# Altium PCB ModulebitV0_4.PcbDoc (part 1 of 2)
Units mm, origin at the board's own origin, x right, y up, seen from the top; angles counter-clockwise.
Board outline 60 x 54 mm, 2 copper layers (Top Layer, Bottom Layer), stack 1.671 mm thick; 125 components, 87 nets, 543 pads, 469 vias.
Unrouted connection lines stored in the file: 1.
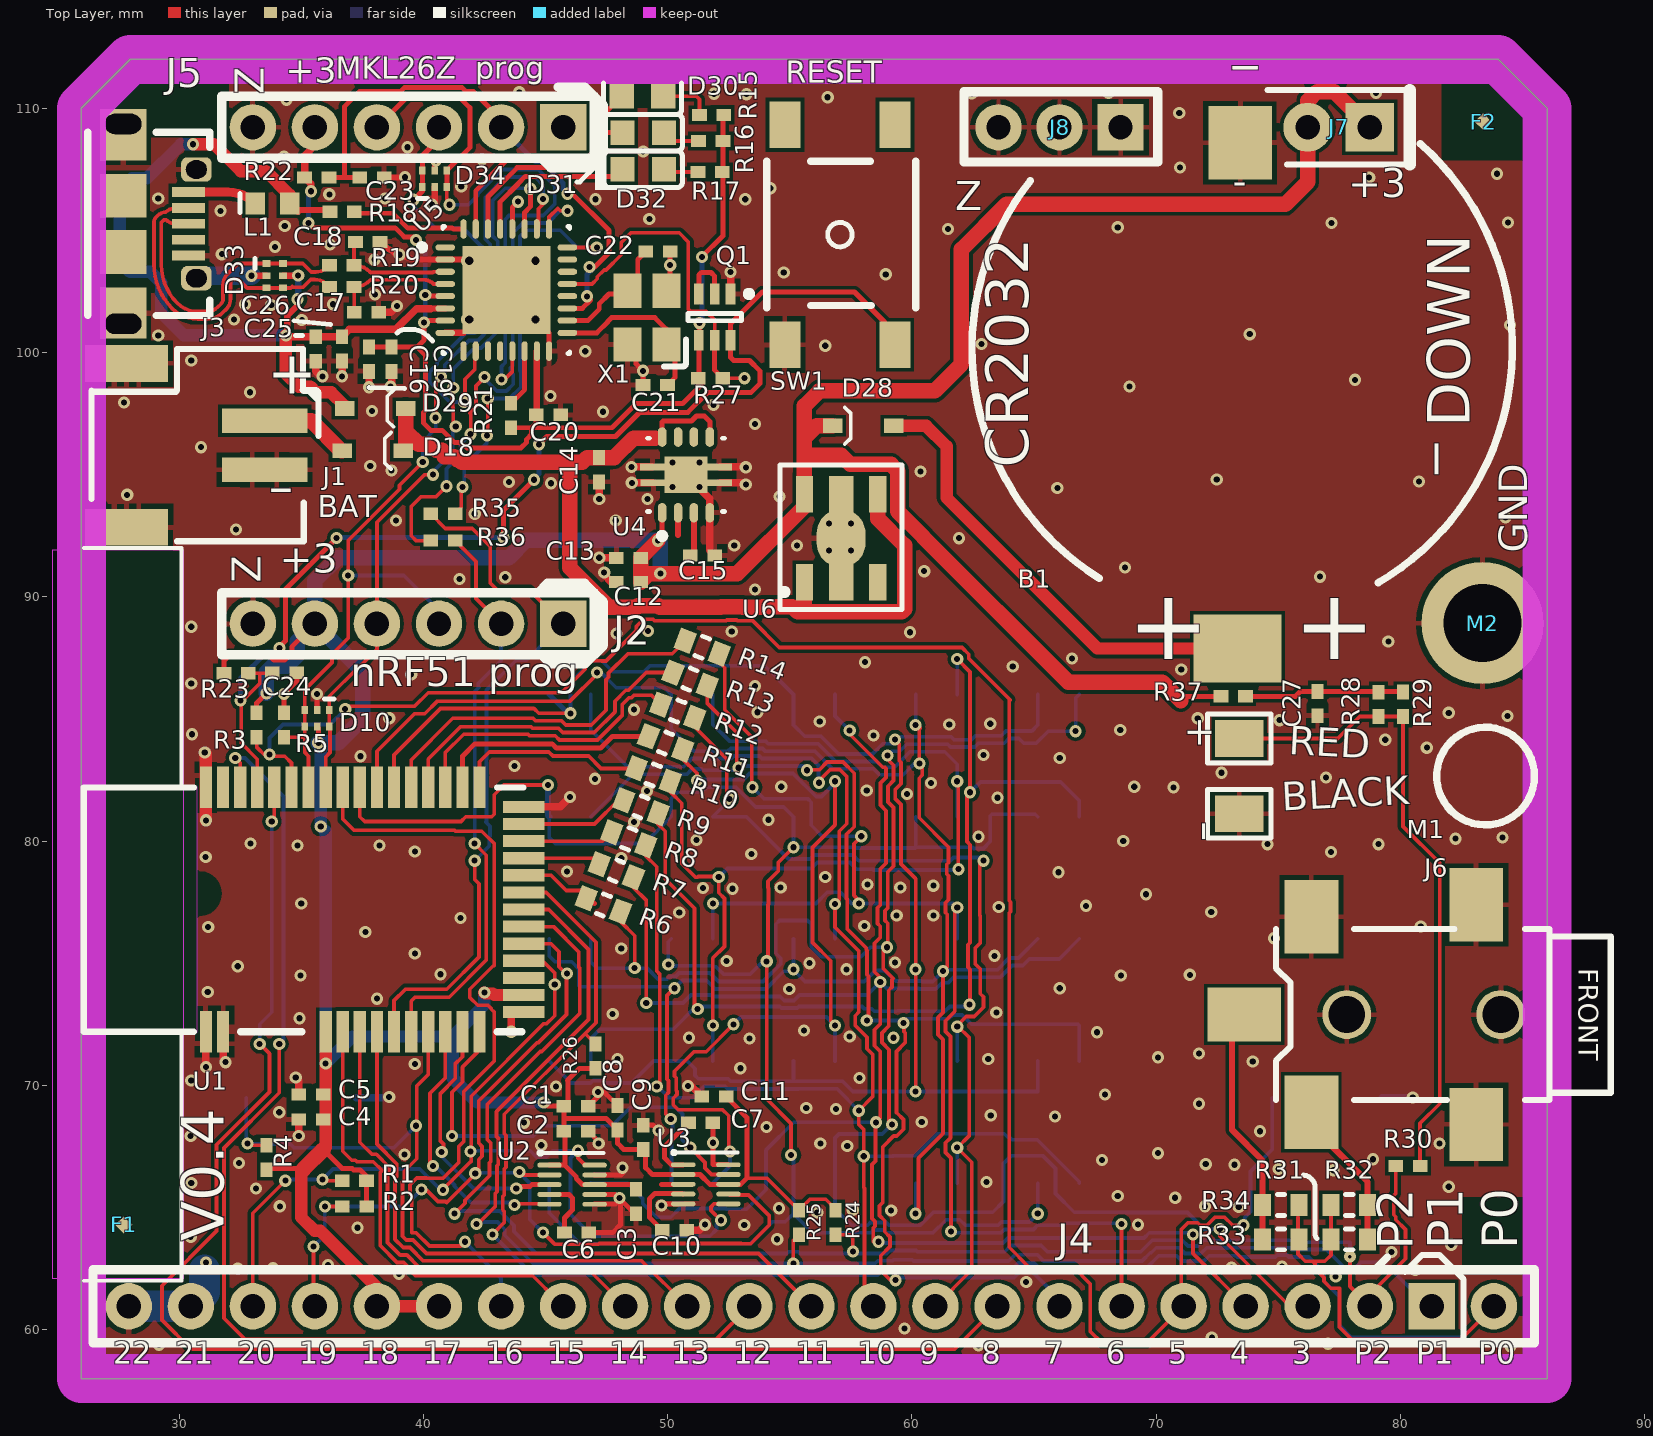
[diagram p0: Top Layer view]
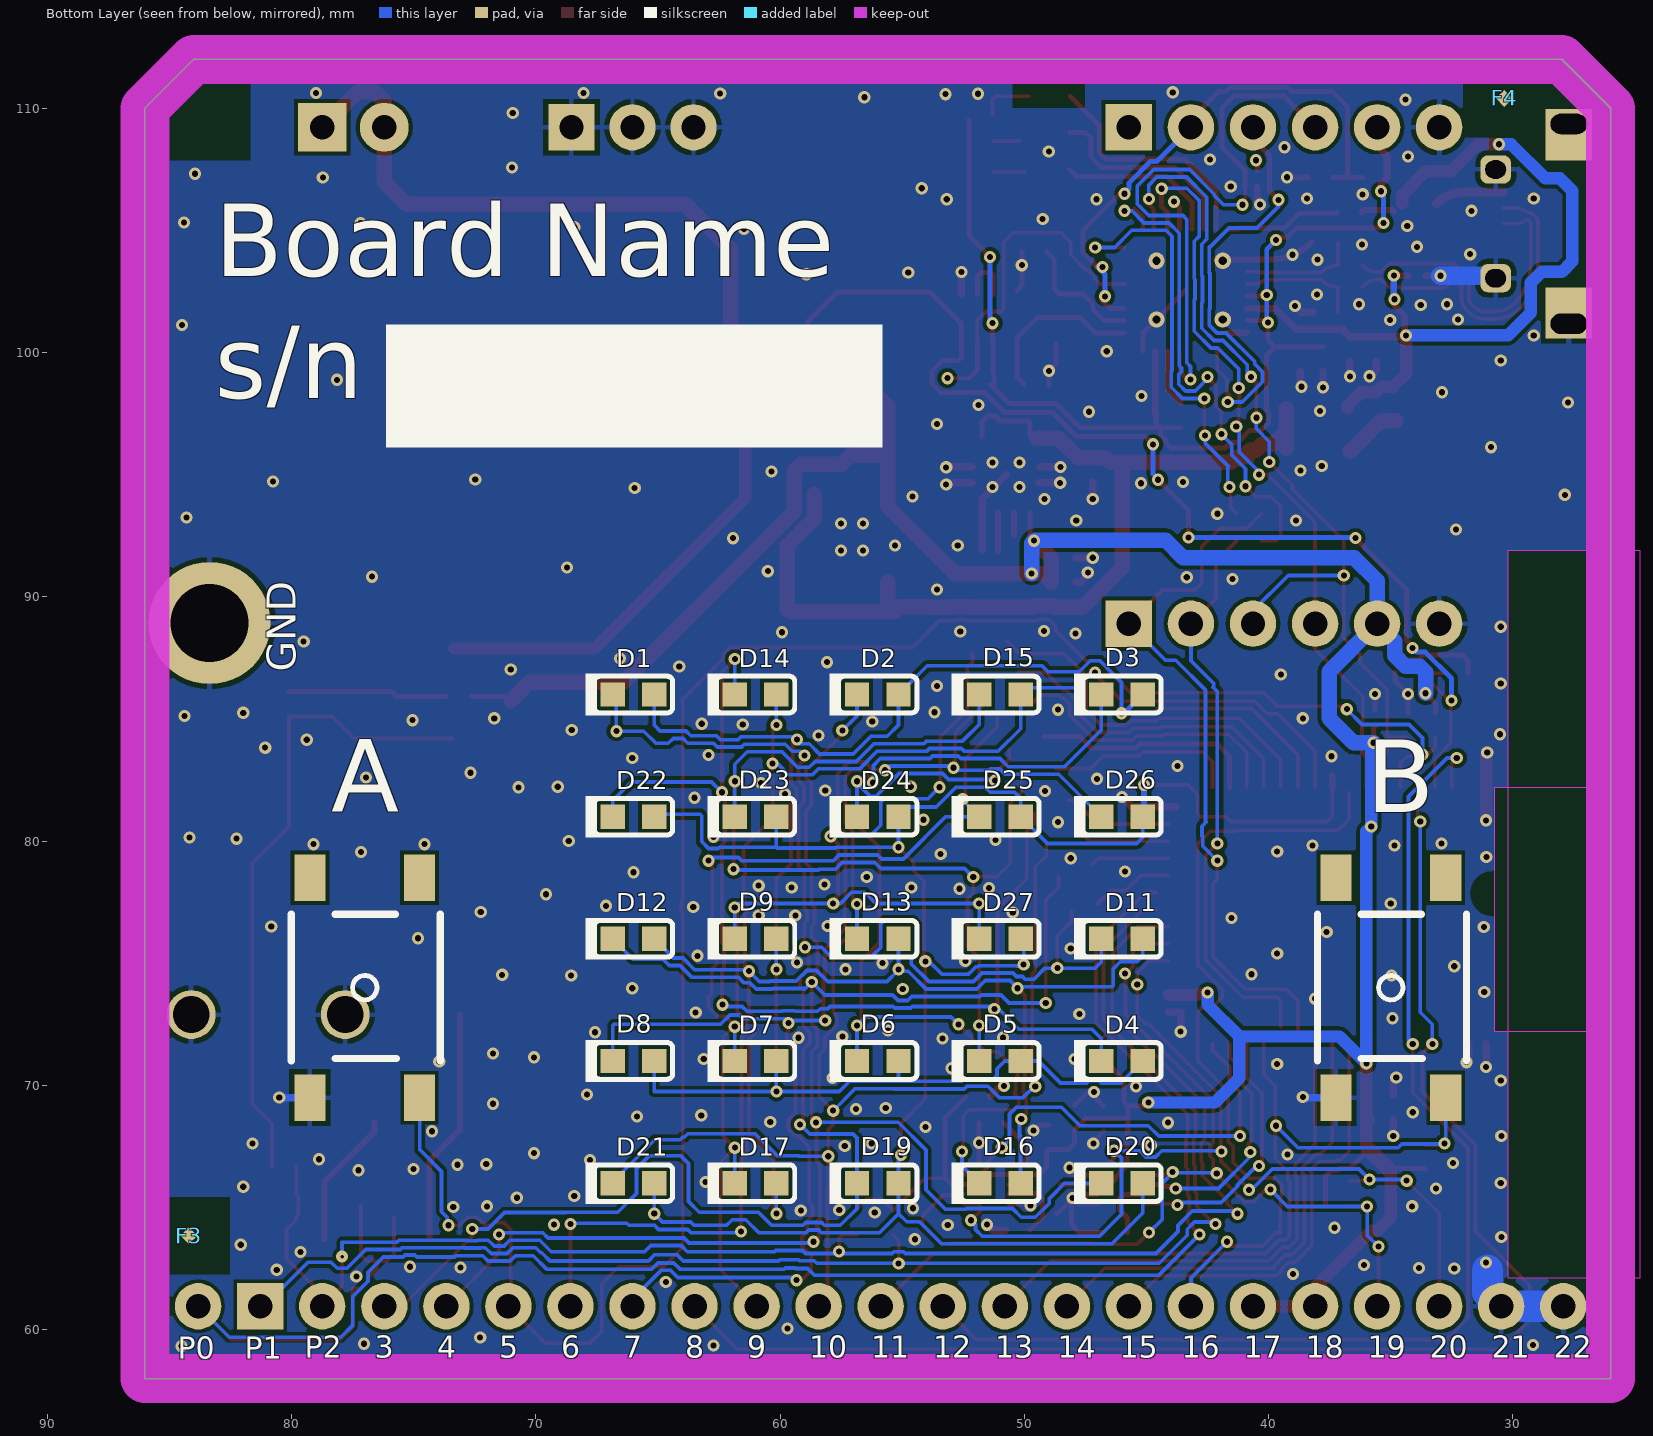
[diagram p1: Bottom Layer view, seen from below]

## Layer stack, top to bottom
Top Solder: solder mask 0.0102, Solder Resist, Dk 3.5
Top Layer: signal copper 0.0356
Dielectric 1: dielectric 1.6, FR-4, Dk 4.8
Bottom Layer: signal copper 0.0356
Bottom Solder: solder mask 0.0102, Solder Resist, Dk 3.5

## Board outline
26,58 86,58 86,110 84,112 28,112 26,110

## Design rules (kind name [scope] priority, off if disabled: settings)
Clearance Clearance_keepout [All vs (OnLayer('Keep-Out Layer'))] p1: gap=0.01
Clearance [All] p2: gap=0.152
DiffPairsRouting [All] p1: maxlimit=0.203 minlimit=0.152 mostfreqgap=0.152 toplayer_minwidth=0.152 toplayer_maxwidth=0.152 toplayer_prefwidth=0.152 bottomlayer_minwidth=0.152 bottomlayer_maxwidth=0.152 bottomlayer_prefwidth=0.152 maxuncoupledlength=12.7
MinimumAnnularRing [All] p1: minimumring=0.152
MinimumSolderMaskSliver [All] p1: minsoldermaskwidth=0.127
PlaneClearance [All] p1: clearance=0.254
PlaneConnect [All] p1: planeconnectstyle=Direct reliefexpansion=0.508 reliefentries=4 reliefconductorwidth=0.254 reliefairgap=0.254
PolygonConnect PolygonConnect_pad [ispad] p1: connectstyle=Relief reliefconductorwidth=0.203 reliefentries=4 polygonreliefangle="90 Angle" airgapwidth=0.203
PolygonConnect [All] p2: connectstyle=Direct reliefconductorwidth=0.203 reliefentries=4 polygonreliefangle="90 Angle" airgapwidth=0.203
RoutingVias [All] p1: holewidth=0.15 width=0.5 viastyle="Through Hole" minholewidth=0.15 minwidth=0.5 maxholewidth=1 maxwidth=2
SilkToSolderMaskClearance [IsPad] p1: minsilkscreentomaskgap=0.127 clearancetoexposedcopper=TRUE
SolderMaskExpansion [All] p1: expansion=0.051
Width [All] p1: maxlimit=2.54 minlimit=0.152 preferedwidth=0.152 minimp=50.000000 maximp=50.000000 favimp=50.000000
25 further rules are at their usual default settings.

## Classes and differential pairs
net class COL[1..9]: COL1 COL2 COL3 COL4 COL5 COL6 COL7 COL8 COL9
net class COLR[1..9]: COLR1 COLR2 COLR3 COLR4 COLR5 COLR6 COLR7 COLR8 COLR9
net class ROW[1..3]: ROW1 ROW2 ROW3
differential pair USB: +USB_P -USB_N
differential pair USB_D: +USB_D_P -USB_D_N

## Components (designator, comment, footprint, x,y, rotation, side; value= is the part's Value field where it differs from the comment)
A "SW_SPST_6MM" SW_FSM4JSMA#1 77,74 r0 bottom
B "SW_SPST_6MM" SW_FSM4JSMA#1 35,74 r0 bottom
B1 "BAT_CR2032_1" BAT_CR2032_CH7410-2032LF 73.43,100.184 r0 top
C1 "1U_6V3" C_0402 46.25,69.15 r90 top
C2 "CAP_100N_25V_0402_10%_X5R" C_0402 46.25,68.125 r90 top
C3 "CAP_100N_25V_0402_10%_X5R" C_0402 48.7,65.25 r0 top
C4 "1U_6V3" C_0402 35.4,68.6 r270 top
C5 "1U_6V3" C_0402 35.4,69.625 r270 top
C6 "CAP_100N_25V_0402_10%_X5R" C_0402 46.275,63.975 r90 top
C7 "CAP_100N_25V_0402_10%_X5R" C_0402 51.35,68.475 r90 top
C8 "1U_6V3" C_0402 47.95,68.675 r180 top
C9 "CAP_100N_25V_0402_10%_X5R" C_0402 49,67.875 r180 top
C10 "CAP_100N_25V_0402_10%_X5R" C_0402 50.275,64.075 r90 top
C11 "CAP_100N_25V_0402_10%_X5R" C_0402 51.9,69.55 r270 top
C12 "CAP_4U7_6V3_X5R_20%_0402" c_0402 48.395,90.602 r270 top
C13 "CAP_4U7_6V3_X5R_20%_0402" c_0402 48.395,91.592 r270 top
C14 "CAP_4U7_6V3_X5R_20%_0402" c_0402 47.193,95.199 r0 top
C15 "CAP_2.2nF_0402" C_0402 51.427,91.694 r90 top
C16 "1U_6V3" C_0402 37.775,99.725 r0 top
C17 "CAP_22pF_0402" c_0402 37.675,101.65 r90 top
C18 "CAP_22pF_0402" c_0402 37.725,104.525 r90 top
C19 "1U_6V3" C_0402 38.7,99.725 r0 top
C20 "1U_6V3" C_0402 45.118,97.453 r90 top
C21 "CAP_12PF_25V_0402" C_0402 49.492,98.671 r270 top
C22 "CAP_12PF_25V_0402" C_0402 49.602,104.132 r90 top
C23 "CAP_100N_25V_0402_10%_X5R" C_0402 37.897,107.169 r90 top
C24 "CAP_100N_25V_0402_10%_X5R" C_0402 34.319,86.893 r90 top
C25 "CAP_2.2nF_0402" C_0402 35.595,100.147 r0 top
C26 "1U_6V3" C_0402 36.675,100.15 r0 top
C27 "1U_6V3" C_0402 76.6,85.625 r0 top
D1 "LED_0603_RED" LED_0603_RED#1 66,86 r90 bottom
D2 "LED_0603_RED" LED_0603_RED#1 56,86 r90 bottom
D3 "LED_0603_RED" LED_0603_RED#1 46,86 r90 bottom
D4 "LED_0603_RED" LED_0603_RED#1 46,71 r90 bottom
D5 "LED_0603_RED" LED_0603_RED#1 51,71 r90 bottom
D6 "LED_0603_RED" LED_0603_RED#1 56,71 r90 bottom
D7 "LED_0603_RED" LED_0603_RED#1 61,71 r90 bottom
D8 "LED_0603_RED" LED_0603_RED#1 66,71 r90 bottom
D9 "LED_0603_RED" LED_0603_RED#1 61,76 r90 bottom
D10 "D_ESD_PRTR5V0U2F_115" SOT886 35.65,85.025 r270 top
D11 "LED_0603_RED" LED_0603_RED#1 46,76 r90 bottom
D12 "LED_0603_RED" LED_0603_RED#1 66,76 r90 bottom
D13 "LED_0603_RED" LED_0603_RED#1 56,76 r90 bottom
D14 "LED_0603_RED" LED_0603_RED#1 61,86 r90 bottom
D15 "LED_0603_RED" LED_0603_RED#1 51,86 r90 bottom
D16 "LED_0603_RED" LED_0603_RED#1 51,66 r90 bottom
D17 "LED_0603_RED" LED_0603_RED#1 61,66 r90 bottom
D18 "D_BAT60A_E6327" SOD323 37.922,95.98 r270 top
D19 "LED_0603_RED" LED_0603_RED#1 56,66 r90 bottom
D20 "LED_0603_RED" LED_0603_RED#1 46,66 r90 bottom
D21 "LED_0603_RED" LED_0603_RED#1 66,66 r90 bottom
D22 "LED_0603_RED" LED_0603_RED#1 66,81 r90 bottom
D23 "LED_0603_RED" LED_0603_RED#1 61,81 r90 bottom
D24 "LED_0603_RED" LED_0603_RED#1 56,81 r90 bottom
D25 "LED_0603_RED" LED_0603_RED#1 51,81 r90 bottom
D26 "LED_0603_RED" LED_0603_RED#1 46,81 r90 bottom
D27 "LED_0603_RED" LED_0603_RED#1 51,76 r90 bottom
D28 "D_BAT43WS-7-F" SOD323 58,97 r90 top
D29 "D_BAT60A_E6327" SOD323 38.024,97.707 r270 top
D30 "LED_0603_GREEN" LED_0603_GREEN 48.971,110.49 r90 top
D31 "LED_0603_BLUE" LED_0603_BLUE 49,109 r90 top
D32 "LED_0603_RED" LED_0603_RED#2 49,107.5 r90 top
D33 "D_ESD_PRTR5V0U2F_115" SOT886 33.916,103.143 r0 top
D34 "D_ESD_PRTR5V0U2F_115" SOT886 40.462,107.112 r90 top
F1 "FIDUCIAL" FIDUCIAL_OV 27.737,64.287 r90 top
F2 "FIDUCIAL" FIDUCIAL_OV 83.375,109.45 r90 top
F3 "FIDUCIAL" FIDUCIAL_OV 84.2,63.85 r90 bottom
F4 "FIDUCIAL" FIDUCIAL_OV 30.35,110.4 r90 bottom
J1 "CON_JST_2MM_2W_SMD_H" CON_JST_S2B-PH-SM4-TB 33.5,97.2 r270 top
J2 "CON_HDR_6X1_0.1IN" CON_HDR_6X1 45.72,88.9 r270 top locked
J3 "CON_USB_MICRO_AB_MOLEX" CON_USB_MICRO_AB_MOLEX 26.259,105.266 r270 top
J4 "CON_HDR_23X1" CON_HDR_23X1 81.28,60.96 r270 top locked
J5 "CON_HDR_6X1_0.1IN" CON_HDR_6X1 45.72,109.22 r270 top locked
J6 "CON_JACK_STEREO_3.5MM_SMD" CON_JACK_STEREO_3.5MM_SMT 86.1,72.9 r270 top
J7 "CON_HDR_2X1_0.1IN" CON_HDR_2X1 78.74,109.22 r180 top
J8 "CON_HDR_3X1_0.1IN" CON_HDR_3X1 68.538,109.22 r270 top
L1 "L_FERRITE_600R_400mA" L_0603 32.95,106.1 r90 top
M1 "MIC_ABM-715-RC" MIC_ABM-715-RC 83.48,82.66 r270 top locked
M2 "HOLE_3.2MM_DIA" HOLE_3.2MM_DIA 83.35,88.925 r90 top
Q1 "TR_PNP_NPN_PUMD9" SOT363_N 51.925,101.45 r270 top
R1 "R_1K_0402_5%" R_0402 37.175,66.1 r270 top
R2 "R_1K_0402_5%" R_0402 37.178,65.043 r270 top
R3 "R_1K_0402_5%" R_0402 33.175,84.75 r0 top
R4 "R_1K_0402_5%" R_0402 33.575,67.05 r180 top
R5 "R_12K_0402_1%" R_0402 34.3,84.75 r180 top
R6 "R_220R_0603_1%" R_0603 47.368,77.386 r249 top
R7 "R_220R_0603_1%" R_0603 47.905,78.786 r249 top
R8 "R_220R_0603_1%" R_0603 48.407,80.093 r249 top
R9 "R_220R_0603_1%" R_0603 48.909,81.4 r249 top
R10 "R_220R_0603_1%" R_0603 49.41,82.707 r249 top
R11 "R_220R_0603_1%" R_0603 49.912,84.014 r249 top
R12 "R_220R_0603_1%" R_0603 50.414,85.321 r249 top
R13 "R_220R_0603_1%" R_0603 50.915,86.628 r249 top
R14 "R_220R_0603_1%" R_0603 51.417,87.935 r249 top
R15 "R_1K_0402_5%" R_0402 51.8,109.725 r270 top
R16 "R_1K_0402_5%" R_0402 51.765,108.661 r270 top
R17 "R_1K_0402_5%" R_0402 51.74,107.391 r270 top
R18 "R_4K7_0402_5%" R_0402 36.678,105.759 r90 top
R19 "R_33R_0402_5%" R_0402 36.66,103.575 r90 top
R20 "R_33R_0402_5%" R_0402 36.66,102.676 r90 top
R21 "R_1K_0402_5%" R_0402 43.586,97.42 r180 top
R22 "R_10K_0402_5%" R_0402 35.636,107.163 r90 top
R23 "R_10K_0402_5%" R_0402 32.337,86.868 r90 top
R24 "R_10M_0402_5%" R_0402 56.871,64.389 r0 top
R25 "R_10M_0402_5%" R_0402 55.372,64.389 r0 top
R26 "R_10M_0402_5%" R_0402 47.041,71.196 r180 top
R27 "R_10K_0402_5%" R_0402 51.75,98.95 r90 top
R28 "R_4K7_0402_5%" R_0402 79.1,85.6 r0 top
R29 "R_4K7_0402_5%" R_0402 80.1,85.6 r0 top
R30 "R_1K_0402_5%" R_0402 80.3,66.7 r90 top
R31 "R_220R_0603_1%" R_0603 77.9,63.7 r270 top
R32 "R_220R_0603_1%" R_0603 77.9,65.1 r270 top
R33 "R_220R_0603_1%" R_0603 75.1,63.7 r90 top
R34 "R_220R_0603_1%" R_0603 75.1,65.1 r90 top
R35 "R_1K_0402_5%" R_0402 40.8,93.4 r90 top
R36 "R_1K_0402_5%" R_0402 40.8,92.3 r270 top
R37 "R_1K_0402_5%" R_0402 73.15,85.925 r90 top
SW1 "SW_SPST_6MM" SW_FSM4JSMA#2 57.05,104.825 r180 top
U1 "IC_nRF51822_MODULE" IC_nRF51822_MODULE_PASTE 35.949,76.99 r90 top
U2 "IC_MMA8653FCR1" IC_QFN40P200X200X85-10M 46.087,65.936 r0 top
U3 "IC_MAG3110FCR1" IC_QFN40P200X200X85-10M 51.562,65.951 r0 top
U4 "IC_TPS73533DRBR" IC_QFN65P300X300X100-8M-TI 50.749,94.991 r90 top
U5 "IC_MKL26Z128VFM4" IC_QFN50P500X500X100-32N 43.394,102.556 r0 top locked
U6 "IC_XC6227C331PR-G" SOT895 55.627,90.622 r90 top
X1 "XTAL_16MHZ_3.2X2.5MM" XTAL_3.2X2.5MM 49.15,101.425 r90 top

## Footprints (in the part's own frame and the unit in brackets; to place one, negate y for a bottom-side part, rotate by r counter-clockwise, add the part's x,y. Pads: shape width x height; smd on the part's side, far side on the other; paste and mask are expansions set on the pad)
BAT_CR2032_CH7410-2032LF [mm] "PLASTIC CR2032 HOLDER"
  rect 2.6x3 smd paste-2: NEG(0,8.4)
  rect 3.6x2.8 smd: POS1(-0.1,-12.3)
  silkscreen extent 5.65,-9.61 11.15,8.36, body extent -8,-13.4 8,10.85, height 5.4
C_0402 [mm]
  rect 0.5x0.6 smd: 1(0,0.5) 2(0,-0.5)
  body extent -0.26,-0.5 0.26,0.5, height 0.36
c_0402 [mm]
  rect 0.5x0.6 smd: 1(0,0.5) 2(0,-0.5)
  body extent -0.26,-0.5 0.26,0.5, height 0.36
CON_HDR_2X1 [mm]
  rect 2x2 hole 1: 1(0,0)
  round 2 hole 1: 2(2.54,0)
  silkscreen extent -1.64,-1.52 4.18,1.52, body extent -1.27,-1.27 3.81,1.27, height 8.41
CON_HDR_3X1 [mm]
  rect 1.9x1.9 hole 1: 1(0,0)
  round 1.9 hole 1: 2(0,-2.498) 3(0,-4.995)
  silkscreen extent -1.45,-6.41 1.42,1.52, body extent -1.27,-6.35 1.27,1.27, height 8.41
CON_HDR_6X1 [mm]
  rect 1.9x1.9 hole 1: 1(0,0)
  round 1.9 hole 1: 2(0,-2.54) 3(0,-5.08) 4(0,-7.62) 5(0,-10.16) 6(0,-12.7)
  silkscreen extent -1.65,-13.97 1.65,1.65, body extent -1.27,-13.93 1.27,1.27, height 8.41
CON_HDR_23X1 [mm]
  round 1.9 hole 1: 0(0,2.54) 2(0,-2.54) 3(0,-5.08) 4(0,-7.62) 5(0,-10.16) 6(0,-12.7) 7(0,-15.24) 8(0,-17.78) 9(0,-20.32) 10(0,-22.86) 11(0,-25.4) 12(0,-27.94) 13(0,-30.48) 14(0,-33.02) 15(0,-35.56) 16(0,-38.1) 17(0,-40.64) 18(0,-43.18) 19(0,-45.72) 20(0,-48.26) 21(0,-50.8) 22(0,-53.34)
  rect 1.9x1.9 hole 1: 1(0,0)
  silkscreen extent -2.1,-54.8 1.5,4.2, body extent -1.27,-54.61 1.27,3.81, height 8.41
CON_JACK_STEREO_3.5MM_SMT [mm] "CON_JACK_STEREO_SMT"
  rect 3x2.2 smd: BARL(-4,-9.75) P03(-4.5,-3) P04(4.5,-3) RING(4,-9.75)
  round 2 hole 1.5: P01(0,-2) P02(0,-8.3)
  rect 2.2x3 smd: TIP(0,-12.5)
  silkscreen extent -3.5,-11.2 3.5,2.5, body extent -5.1,-13.3 5.1,2.7, height 6
CON_JST_S2B-PH-SM4-TB [mm]
  oval 1x2 smd: 1(0,0.5) 1(0,-0.5) 2(2,-0.5) 2(2,0.5)
  rect 1x3.5 smd: 1(0,0) 2(2,0)
  rect 1.5x3.4 smd: P1(4.35,-5.65) P2(-2.35,-5.65)
  oval 1.5x2 smd: P1(4.35,-5.15) P1(4.35,-6.15) P2(-2.35,-6.15) P2(-2.35,-5.15)
  silkscreen extent -2.95,-7.09 4.93,2.21, body extent -2.97,-7.04 4.93,1.56, height 5.5
CON_USB_MICRO_AB_MOLEX [mm] "USB Micro-AB socket Molex 47589-0001"
  rect 0.4x1.35 smd: 1(-1.3,4.125) 2(-0.65,4.125) 3(0,4.125) 4(0.65,4.125) 5(1.3,4.125)
  rect 2.1x1.9 hole 0.83 slot 1.5 at 90 deg copper offset 0.44,0: H0(-4.09,1.45)
  rect 2.1x1.9 hole 0.83 slot 1.5 at 90 deg copper offset -0.44,0: H1(4.09,1.45)
  rrect50% 1x1.25 / inner rrect50% 1.15x1.25 / far side rrect50% 1.15x1.25 hole 0.75 slot 0.85 at 90 deg: H2(-2.225,4.45) H3(2.225,4.45)
  rect 1.8x1.9 smd: P0(-1.15,1.45) P1(1.15,1.45)
  silkscreen extent -3.75,0 3.75,5, body extent -4.35,-1.17 4.3,4.72, height 2.76
FIDUCIAL_OV [mm] "Fiducial for the overlord"
  rect 0.5x0.5 smd rot 45 paste-1 mask+0.2: 1(0,0)
  Top Layer pour cut-out: 154 vertices and 0 holes, not listed, extent -1,-1 1,1
  Top Layer pour cut-out: -1.6,-0.1 -1.6,-1.7 1.6,-1.7 1.6,1.7 -1.6,1.7
  Bottom Layer pour cut-out: -1.6,-0.1 -1.6,-1.7 1.6,-1.7 1.6,1.7 -1.6,1.7
HOLE_3.2MM_DIA [mm]
  round 5 hole 3.2: 1(0,0)
IC_nRF51822_MODULE_PASTE [mm] "IC_NRF51822_MODULE with extra paste dots as they are not very flat."
  round 0.5 smd: 1(-5.291,4.849) 1(-4.591,4.849) 2(-5.291,4.149) 2(-4.591,4.149) 3(-5.291,-0.051) 3(-4.591,-0.051) 4(-5.291,-0.751) 4(-4.591,-0.751) 5(-5.291,-1.451) 5(-4.591,-1.451) 6(-5.291,-2.151) 6(-4.591,-2.151) 7(-5.291,-2.851) 7(-4.591,-2.851) 8(-5.291,-3.551) 8(-4.591,-3.551) 9(-5.291,-4.251) 9(-4.591,-4.251) 10(-5.291,-4.951) 10(-4.591,-4.951) 11(-5.291,-5.651) 11(-4.591,-5.651) 12(-5.291,-6.351) 12(-4.591,-6.351) 13(-3.991,-8.651) 13(-3.991,-7.851) 14(-3.291,-8.651) 14(-3.291,-7.851) 15(-2.591,-8.651) 15(-2.591,-7.851) 16(-1.891,-7.851) 16(-1.891,-8.651) 17(-1.191,-8.651) 17(-1.191,-7.851) 18(-0.491,-7.851) 18(-0.491,-8.651) 19(0.209,-7.851) 19(0.209,-8.651) 20(0.909,-8.651) 20(0.909,-7.851) 21(1.609,-7.851) 21(1.609,-8.651) 22(2.309,-8.651) 22(2.309,-7.851) 23(3.009,-8.651) 23(3.009,-7.851) 24(3.709,-7.851) 24(3.709,-8.651) 25(4.409,-8.651) 25(4.409,-7.851) 26(5.009,-6.351) 26(5.709,-6.351) 27(5.009,-5.651) 27(5.709,-5.651) 28(5.009,-4.951) 28(5.709,-4.951) 29(5.009,-4.251) 29(5.709,-4.251) 30(5.009,-3.551) 30(5.709,-3.551) 31(5.009,-2.851) 31(5.709,-2.851) 32(5.009,-2.151) 32(5.709,-2.151) 33(5.009,-1.451) 33(5.709,-1.451) 34(5.009,-0.751) 34(5.709,-0.751) 35(5.009,-0.051) 35(5.709,-0.051) 36(5.009,0.649) 36(5.709,0.649) 37(5.009,1.349) 37(5.709,1.349) 38(5.009,2.049) 38(5.709,2.049) 39(5.009,2.749) 39(5.709,2.749) 40(5.009,3.449) 40(5.709,3.449) 41(5.009,4.149) 41(5.709,4.149) 42(5.009,4.849) 42(5.709,4.849)
  rect 1.7x0.5 smd: 1(-4.791,4.849) 2(-4.791,4.149) 3(-4.791,-0.051) 4(-4.791,-0.751) 5(-4.791,-1.451) 6(-4.791,-2.151) 7(-4.791,-2.851) 8(-4.791,-3.551) 9(-4.791,-4.251) 10(-4.791,-4.951) 11(-4.791,-5.651) 12(-4.791,-6.351) 26(5.209,-6.351) 27(5.209,-5.651) 28(5.209,-4.951) 29(5.209,-4.251) 30(5.209,-3.551) 31(5.209,-2.851) 32(5.209,-2.151) 33(5.209,-1.451) 34(5.209,-0.751) 35(5.209,-0.051) 36(5.209,0.649) 37(5.209,1.349) 38(5.209,2.049) 39(5.209,2.749) 40(5.209,3.449) 41(5.209,4.149) 42(5.209,4.849)
  rect 0.5x1.7 smd: 13(-3.991,-8.151) 14(-3.291,-8.151) 15(-2.591,-8.151) 16(-1.891,-8.151) 17(-1.191,-8.151) 18(-0.491,-8.151) 19(0.209,-8.151) 20(0.909,-8.151) 21(1.609,-8.151) 22(2.309,-8.151) 23(3.009,-8.151) 24(3.709,-8.151) 25(4.409,-8.151)
  silkscreen extent -4.79,-8.15 5.21,9.85, body extent -4.89,-8.18 5.11,9.82, height 3.2
IC_QFN40P200X200X85-10M [mm] "QFN, 10-Leads, Body 2.00x2.00mm, Pitch 0.40mm, IPC Low Density"
  oval 1x0.2 smd: 1(-0.925,0.8) 2(-0.925,0.4) 3(-0.925,0) 4(-0.925,-0.4) 5(-0.925,-0.8) 6(0.925,-0.8) 7(0.925,-0.4) 8(0.925,0) 9(0.925,0.4) 10(0.925,0.8)
  silkscreen extent -1.4,1.2 1.3,1.4, body extent -1,-1 1,1, height 0.85
IC_QFN50P500X500X100-32N [mm] "QFN, 32-Leads, Body 5.2x5.2mm (max), Pitch 0.50mm, IPC Medium Density"
  oval 0.8x0.25 smd: 1(-2.5,1.75) 2(-2.5,1.25) 3(-2.5,0.75) 4(-2.5,0.25) 5(-2.5,-0.25) 6(-2.5,-0.75) 7(-2.5,-1.25) 8(-2.5,-1.75) 17(2.5,-1.75) 18(2.5,-1.25) 19(2.5,-0.75) 20(2.5,-0.25) 21(2.5,0.25) 22(2.5,0.75) 23(2.5,1.25) 24(2.5,1.75)
  oval 0.25x0.8 smd: 9(-1.75,-2.5) 10(-1.25,-2.5) 11(-0.75,-2.5) 12(-0.25,-2.5) 13(0.25,-2.5) 14(0.75,-2.5) 15(1.25,-2.5) 16(1.75,-2.5) 25(1.75,2.5) 26(1.25,2.5) 27(0.75,2.5) 28(0.25,2.5) 29(-0.25,2.5) 30(-0.75,2.5) 31(-1.25,2.5) 32(-1.75,2.5)
  rect 3.6x3.6 smd: 33(0,0)
  silkscreen extent -3.57,-2.6 2.6,2.6, body extent -2.5,-2.5 2.5,2.5, height 0.85
IC_QFN65P300X300X100-8M-TI [mm] "QFN, 8-Leads, Body 3.0x3.0mm (max), Pitch 0.65mm, IPC Low Density"
  oval 0.8x0.35 smd: 1(-1.55,0.975) 2(-1.55,0.325) 3(-1.55,-0.325) 4(-1.55,-0.975) 5(1.55,-0.975) 6(1.55,-0.325) 7(1.55,0.325) 8(1.55,0.975)
  rect 0.28x1.025 smd: 9(-0.325,1.346) 9(-0.325,-1.372) 9(0.325,1.372) 9(0.325,-1.372)
  rect 1.5x1.75 smd: 9(0,0)
  silkscreen extent -2.62,-1.58 1.5,1.58, body extent -1.5,-1.5 1.5,1.5, height 1
L_0603 [mm]
  rect 0.9x0.8 smd: 1(0,-0.175) 2(0,-1.575)
  silkscreen extent -0.37,0.45 0.41,0.45, body extent -0.61,-1.82 0.56,-0.01, height 1.11
LED_0603_BLUE [mm] "LED_0603_BLUE"
  round 0.152 on Top Overlay: 1(0,0)
  rect 1x1 smd paste+0 mask+0: A(0,-0.85) K(0,0.85)
  silkscreen extent -0.85,-1.6 0.85,1.97, body extent -0.53,-1.09 0.53,0.92, height 0.46
LED_0603_GREEN [mm] "LED_0603_GREEN"
  round 0.152 on Top Overlay: 1(0,0)
  rect 1x1 smd paste+0 mask+0: A(0,-0.85) K(0,0.85)
  silkscreen extent -0.85,-1.6 0.53,1.78, body extent -0.4,-0.81 0.4,0.81, height 1.1
LED_0603_RED#1 [mm] "LED_0603_RED"
  round 0.152 on Bottom Overlay: 0(0,0)
  rect 1x1 smd paste+0 mask+0: A(0,-0.85) K(0,0.85)
  silkscreen extent -0.85,-1.6 0.85,1.97, body extent -0.43,-0.84 0.37,0.78, height 1.1
LED_0603_RED#2 [mm] "LED_0603_RED"
  round 0.152 on Top Overlay: 0(0,0)
  rect 1x1 smd paste+0 mask+0: A(0,-0.85) K(0,0.85)
  silkscreen extent -0.85,-1.6 0.85,1.97, body extent -0.43,-0.84 0.37,0.78, height 1.1
MIC_ABM-715-RC [mm]
  rect 1.5x2 smd: BLACK(1.54,-10.08) RED(-1.54,-10.08)
  silkscreen extent -2.54,-11.38 2.54,2, body extent -2,-9.9 2,2, height 2.5
R_0402 [mm]
  rect 0.5x0.6 smd: 1(0,0.5) 2(0,-0.5)
  body extent -0.25,-0.47 0.25,0.53, height 0.35
R_0603 [mm]
  rect 0.9x0.7 smd: 1(0,0.75) 2(0,-0.75)
  silkscreen extent -0.43,-0.15 0.43,0.15, body extent -0.42,-0.75 0.43,0.8, height 0.45
SOD323 [mm]
  rect 0.6x0.8 smd: 1(0,1.25) 2(0,-1.25)
  silkscreen extent -0.75,0.5 0.75,0.75, body extent -0.68,-1.3 0.67,1.3, height 1.1
SOT363_N [mm] "SOT363, 6-Leads, Body 2x1.3mm, Pitch 0.65mm, Lead Span 2.1mm, IPC Medium Density"
  rect 0.85x0.4 smd: 1(-0.95,0.65) 2(-0.95,0) 3(-0.95,-0.65) 4(0.95,-0.65) 5(0.95,0) 6(0.95,0.65)
  silkscreen extent -1.07,-1.1 0.15,1.53, body extent -1.2,-1.1 1.2,1.1, height 1.1
SOT886 [mm]
  rect 0.325x0.27 smd: 1(-0.337,0.5) 2(-0.337,0) 3(-0.337,-0.5) 4(0.337,-0.5) 5(0.337,0) 6(0.337,0.5)
  silkscreen extent -0.8,0.3 -0.8,0.7, body extent -0.5,-0.75 0.5,0.75, height 0.82
SOT895 [mm] "SOT-895"
  rect 1.5x0.7 smd: 1(-0.022,0.027) 3(-0.022,-2.973) 4(3.578,-2.973) 5(3.578,0.027)
  rect 1.5x1 smd: 2(-0.022,-1.473) 2(3.578,-1.473)
  oval 2.4x2 smd: 2(1.778,-1.473)
  silkscreen extent -1.14,-3.97 4.78,1.03, body extent -0.4,-3.75 3.9,0.75, height 1.5
SW_FSM4JSMA#1 [mm] "TE 6MM SPST SWITCH"
  rect 1.27x1.905 smd: 1(-2.25,4.5) 2(2.25,4.5) 3(2.25,-4.5) 4(-2.25,-4.5)
  round 0.152 on Bottom Overlay: 3(0,0)
  silkscreen extent -3.1,-3 3,3, body extent -3,-5 3,5, height 5.1
SW_FSM4JSMA#2 [mm] "TE 6MM SPST SWITCH"
  rect 1.27x1.905 smd: 1(-2.25,4.5) 2(2.25,4.5) 3(2.25,-4.5) 4(-2.25,-4.5)
  round 0.152 on Top Overlay: 3(0,0)
  silkscreen extent -3.1,-3 3,3, body extent -3,-5 3,5, height 5.1
XTAL_3.2X2.5MM [mm]
  rect 1.4x1.15 smd: 1(-1.1,-0.8) 2(1.1,-0.8) 3(1.1,0.8) 4(-1.1,0.8)
  silkscreen extent -2,-1.6 -0.9,-0.7, body extent -1.6,-1.2 1.6,1.2, height 0.7

## Part data
A B SW1: "SPST SWITCH 6MM"
B1: "CR2032 battery in holder"
C1 C4 C5 C8 C16 C19 C20 C26 C27: library part CAP_1u_6V3_0402_10%_X6S, "CAP_1u_6V3_0402_10%_X6S"
C17 C18: "CAP 0402 C0G 50V 22PF"
D1 D2 D3 D4 D5 D6 D7 D8 D9 D11 D12 D13 D14 D15 D16 D17 D19 D20 D21 D22 D23 D24 D25 D26 D27 D32: "LED RED 0603"
D10 D33 D34: "Ultra low capacitance double rail-to-rail ESD protection"
D18 D29: "3A Schottky diode with extreme low V  F drop (typ. 0.12V at IF = 10mA)"
D28: "Schottky 200mA 30V 0.5uA@25Vr"
F1 F2 F3 F4: "FIDUCIAL - NO CONNECT"
J1: "2 PIN 2MM SMT JST  CONNECTOR"
J2 J5: "6 PIN HEADER"
J3: "USB Micro-AB socket Molex 47589-0001"
J4: "0.1in HEADER STRIP 23X1"
J6: "3.5 MM STEREO SMT JACK SOCKET SMD"
J7: "2 PIN HEADER"
J8: "3 PIN HEADER"
L1: "FERRITE 600R 400mA 0.35R  IN 0603"
M1: "PRO SIGNAL  ABM-715-RC  ELECTRET MICROPHONE OMNI LEADS"
M2: "HOLE, 3.2MM DIA FINISHED"
Q1: "NXP - PUMD9 - TRANSISTOR, DIGITAL, NPN+PNP SOT-363"
U1: "RF System on a Chip - SoC 2.4GHz BT low Energy 256KB Flash 16KB Ram"
U2: "3-Axis 10-bit Digital  Accelerometer"
U3: "Three-Axis Digital  Magnetometer"
U4: "TPS735 500-mA 3V3, Low Quiescent Current, Ultra-Low Noise, High PSRR,  Low-Dropout Linear Regulator"
U5: "32bit ARM Cortex M0+ Microcontroller 48MHz 128 kB Flash 32-Pin QFN"
U6: "Linear Voltage Regulator IC Positive Fixed 1 Output 3.3V 700mA SOT-89-5"
X1: "CRYSTAL 16MHZ 20PF_3.2X2.5MM"

## Free pads (board coordinates)
  round 0.152 smd: 2(48.062,65.337)
  round 1.8 on Keep-Out: 5(30.85,77.85)

## Via types
v1: diameter 0.5, hole 0.25, Top Layer to Bottom Layer, tented both sides, 464 vias
v2: diameter 0.66, hole 0.33, Top Layer to Bottom Layer, tented both sides, 4 vias
v3: diameter 0.5, hole 0.15, Top Layer to Bottom Layer, 1 vias

## Nets (pads, with @x,y where several pads share a name; then routed paths per layer and width w, separated by ;. In a path a pad name is that pad's centre, name@x,y a point inside that pad or via, vN(x,y) a via of type N, cw(c..) or ccw(c..) an arc to the next point about the centre after c; other vN are vias at no path point)
ACC_INT1: U1.11 U2.3 | length 10.3
  Top Layer w0.152: v1(40.75,67.275) 40.825,67.2 40.825,67.598 40.696,67.727 40.696,69.671 41.3,70.275 41.3,70.875 41.6,71.174 U1.11@41.6,71.699
  Top Layer w0.203: v1(43.802,65.778) 43.802,65.859 44.359,65.859 44.436,65.936 U2.3@45.162,65.936
  Bottom Layer w0.152: v1(40.75,67.275) 40.75,67.075 42.047,65.778 v1(43.802,65.778)
ACC_INT2: U1.10 U2.5 | length 10.5
  Top Layer w0.152: v1(40.4,66.7) 40.425,66.7 40.271,66.854 40.271,69.677 40.9,70.306 U1.10@40.9,71.699 ; v1@43.957,65.15 U2.5@45.098,65.15
  Bottom Layer w0.152: v1(40.4,66.7) 40.502,66.7 41.279,65.923 41.279,65.871 41.94,65.21 43.62,65.21 v1(43.727,65.103)
BTN_A: A.1 J4.5 R3.2 U1.37 | length 82.5
  Top Layer w0.152: R3.2@33.175,84.25 33.175,83.85 v1@33.55,83.475 ; v1@33.7,83.475 34.325,83.475 34.6,83.2 U1.37@34.6,82.699 U1.37@34.6,82.199 ; v1(36.8,85.4) 36.917,85.517 39.642,85.517 40.2,86.075 45.65,86.075 46.624,87.049 46.624,87.102 46.904,87.383 47.301,87.383 47.308,87.375 47.475,87.375 48.721,88.621 48.721,88.798 49.002,89.079 49.398,89.079 49.452,89.025 52.398,89.025 52.427,89.054 52.823,89.054 52.852,89.025 53.475,89.025 54.571,87.929 62.048,87.929 62.329,87.648 62.329,87.471 63.979,85.821 ; 64.02,85.78 63.979,85.821 ; v1(73.575,64.275) 73.127,64.275 72.798,64.604 72.402,64.604 72.073,64.275 71.802,64.275 71.698,64.379 71.302,64.379 71.021,64.098 71.021,61.059 J4.5@71.12,60.96 69.61,59.45 67.775,59.45 67.3,59.925 67.3,61.875 66.6,62.575 64.775,62.575 63.979,63.371 63.979,77.052 64.032,77.106 64.032,77.502 63.979,77.555 63.979,85.821
  Bottom Layer w0.152: v1(33.7,83.55) 33.7,84.225 34.25,84.775 36.175,84.775 v1(36.8,85.4) ; v1(73.575,64.275) 73.625,64.325 73.625,64.598 73.854,64.827 73.854,66.479 74.75,67.375 A.1@74.75,69.5
BTN_B: B.1 J4.11 R4.2 U1.9 | length 35.8
  Top Layer w0.152: v1(32.8,67.625) 32.875,67.55 R4.2@33.575,67.55 ; U1.9@40.2,71.699 40.2,70.45 39.725,69.975 39.725,66.998 39.217,66.49 39.217,66.131 39.145,66.06 39.145,63.824 39.301,63.668 39.577,63.668 40.124,63.121 53.719,63.121 J4.11@55.582,61.257
  Bottom Layer w0.152: v1@32.75,67.625 B.1@32.75,69.5 ; v1@32.8,67.6 34.548,67.6 34.702,67.446 38.796,67.446 v1(39.7,68.35)
COL1: R6.2 U1.21 | length 3.4
  Top Layer w0.152: U1.21@44.1,78.599 U1.21@44.6,78.599 45.226,78.599 45.85,77.975 46.466,77.975 R6.2@46.727,77.714
  Top Layer w0.203: R6.2@46.727,77.714 47.001,77.44
COL2: R7.2 U1.22 | length 3.2
  Top Layer w0.152: U1.22@44.1,79.299 U1.22@44.6,79.299 46.961,79.299 R7.2@47.205,79.055
COL3: R8.2 U1.23 | length 3.8
  Top Layer w0.152: U1.23@44.1,79.999 U1.23@44.6,79.999 47.344,79.999 R8.2@47.707,80.362
COL4: R9.2 U1.24 | length 4.5
  Top Layer w0.152: U1.24@44.1,80.699 U1.24@44.6,80.699 47.01,80.699 47.979,81.669 R9.2@48.208,81.669
COL5: R10.2 U1.26 | length 7.9
  Top Layer w0.152: U1.26@42.3,82.199 U1.26@42.3,82.699 42.3,83.25 42.7,83.65 45.134,83.65 45.303,83.481 46.771,83.481 47.276,82.976 R10.2@48.71,82.976
COL6: R11.2 U1.27 | length 9.4
  Top Layer w0.203: U1.27@41.6,82.199 41.6,83.475 42.105,83.98 45.27,83.98 45.44,83.811 47.261,83.811 47.733,84.283 R11.2@49.212,84.283
COL7: R12.2 U1.28 | length 11.8
  Top Layer w0.152: U1.28@40.9,82.199 U1.28@40.9,82.699 40.9,83.625 41.65,84.375 44.28,84.375 44.34,84.315 45.403,84.315 45.577,84.141 47.124,84.141 48.146,85.163 48.146,85.598 48.415,85.867 48.524,85.867 48.633,85.975 49.329,85.975 R12.2@49.714,85.59
COL8: R13.2 U1.29 | length 13.1
  Top Layer w0.152: U1.29@40.2,82.199 U1.29@40.2,82.699 40.2,83.356 41.524,84.68 44.406,84.68 44.466,84.62 45.529,84.62 45.703,84.446 46.998,84.446 47.842,85.29 47.842,85.724 48.289,86.171 48.398,86.171 49.124,86.897 R13.2@50.215,86.897
COL9: R14.2 U1.30 | length 15.4
  Top Layer w0.152: U1.30@39.5,82.199 U1.30@39.5,82.699 39.5,83.325 41.2,85.025 44.492,85.025 44.593,84.924 45.655,84.924 45.829,84.751 46.871,84.751 47.475,85.354 47.475,86.6 47.581,86.706 47.581,86.881 48.371,87.671 50.184,87.671 R14.2@50.717,88.204
COLR1: D1.K D11.K D19.K J4.3 R6.1 | length 76.4
  Top Layer w0.152: R6.1@48.068,77.117 48.068,76.707 48.65,76.125 v1(48.65,74.8) ; v1@58.925,83.425 59.172,83.178 ; v1(58.978,75.654) 58.824,75.5 58.824,74.784 59.233,74.375 59.181,74.323 59.181,74.03 59.05,73.899 59.05,72.427 58.771,72.148 58.771,71.752 59.063,71.46 59.063,68.518 v1(59.178,68.403) ; v1@59.008,75.654 59.008,76.64 58.896,76.752 58.896,77.148 59.008,77.26 59.008,78.733 59.245,78.97 59.245,81.372 59.017,81.601 59.017,82.249 59.245,82.478 59.245,83.104 59.172,83.177 ; v1(72.6,64.125) 72.6,63.825 75.465,60.96 J4.3@76.2,60.96
  Bottom Layer w0.152: D11.K@46.85,76 46.85,75.05 47.1,74.8 v1(48.65,74.8) 49.15,74.8 49.611,74.339 49.963,74.339 50.077,74.454 50.323,74.454 50.466,74.597 51.729,74.597 52.076,74.25 53.902,74.25 54.625,74.973 54.625,75.202 54.421,75.405 54.421,76.595 54.577,76.75 55.723,76.75 55.879,76.595 55.879,75.648 56.255,75.271 57.921,75.271 58.304,75.654 v1(58.978,75.654) ; v1(58.998,83.502) 59.172,83.676 59.501,83.676 59.788,83.962 61.469,83.962 61.582,83.849 62.572,83.849 62.727,84.004 63.777,84.004 63.977,84.204 64.373,84.204 64.573,84.004 65.08,84.004 65.577,84.5 v1(66.7,84.5) 66.7,85.85 D1.K@66.85,86 ; v1(59.178,68.403) 58.783,68.009 57.009,68.009 56.85,67.85 D19.K@56.85,66 56.85,64.954 57.533,64.271 58.189,64.271 58.301,64.383 58.949,64.383 59.061,64.271 60.348,64.271 60.885,64.808 63.308,64.808 63.75,65.25 63.75,66.8 64.075,67.125 65.348,67.125 65.879,66.595 65.879,65.571 66.646,64.804 68.773,64.804 68.777,64.8 71.277,64.8 71.952,64.125 v1(72.6,64.125)
COLR2: D2.K D12.K D20.K J4.4 R7.1 | length 80.9
  Top Layer w0.152: R7.1@48.605,78.518 48.605,78.095 49.129,77.571 49.129,74.602 49.122,74.595 49.122,73.403 49.15,73.375 v1(49.125,73.375) ; v1(57.45,84.525) 57.45,84.373 58.8,83.023 58.895,83.023 58.94,82.978 58.94,82.604 58.712,82.376 58.712,81.474 58.94,81.246 58.94,79.096 58.704,78.86 58.704,77.386 58.592,77.274 58.592,76.626 58.704,76.514 58.704,76.056 58.467,75.819 58.467,74.651 v1@58.704,74.414 ; v1(58.625,63.6) 58.42,63.6 58.42,64.17 58.487,64.237 58.487,64.43 58.367,64.551 58.367,66.765 58.504,66.902 58.504,68.466 v1(58.525,68.487) 58.704,68.666 58.704,71.389 58.467,71.626 58.467,72.274 58.704,72.511 v1@58.704,74.226 ; v1(71.5,63.9) 71.5,63.12 J4.4@73.66,60.96
  Bottom Layer w0.152: D20.K@46.85,66 46.852,66.002 46.855,66 48.345,66 48.975,65.37 48.975,65.179 49.554,64.6 50.123,64.6 50.48,64.957 52.376,64.957 52.404,64.929 53.229,64.929 54.025,65.725 54.025,67.35 55.162,68.487 v1(58.525,68.487) ; v1(49.125,73.375) 50.625,73.375 50.95,73.7 51.764,73.7 51.824,73.64 54.608,73.64 54.777,73.471 55.173,73.471 55.402,73.7 58.174,73.7 v1(58.703,74.229) 58.986,73.945 59,73.945 59.022,73.967 60.278,73.967 60.3,73.945 60.976,73.945 61.227,74.196 61.473,74.196 61.709,74.432 63.624,74.432 64.101,74.908 64.533,74.908 64.8,75.175 66.025,75.175 D12.K@66.85,76 ; D2.K@56.85,86 56.85,85.125 v1(57.45,84.525) ; v1(58.625,63.6) 58.679,63.546 63.727,63.546 63.93,63.749 69.495,63.749 69.714,63.968 71.5,63.968 v1(71.5,63.9)
COLR3: D3.K D13.K D21.K J4.10 R8.1 | length 68
  Top Layer w0.152: R8.1@49.107,79.825 49.107,79.393 49.549,78.951 49.549,74.68 49.671,74.558 49.671,70.021 49.603,69.953 v1(49.552,69.953) ; v1(56.191,82.391) 56.114,82.391 56.652,82.929 57.048,82.929 57.329,82.648 57.329,80.712 57.02,80.403 57.02,77.596 v1(56.853,77.429) 56.853,76.472 57.825,75.5 57.825,73.003 57.674,72.852 57.674,72.455 58.162,71.968 58.162,71.499 58.399,71.262 58.399,69.54 v1(57.825,68.966) 57.825,68.4 58.025,68.2 v1(58.025,67.1) 58.025,65.825 58.062,65.788 58.062,61.318 J4.10@58.42,60.96
  Bottom Layer w0.152: D3.K@46.85,86 46.85,84.55 48.355,83.045 50.662,83.045 50.996,83.379 52.6,83.379 52.704,83.483 53.756,83.483 53.86,83.379 55.898,83.379 56.179,83.098 56.179,82.403 v1(56.191,82.391) ; v1(49.552,69.953) 49.597,69.953 50.05,69.5 51.026,69.5 51.492,69.967 52.347,69.967 52.464,69.85 55.342,69.85 55.351,69.858 56.933,69.858 v1(57.825,68.966) ; D13.K@56.85,76 56.853,76.003 v1(56.853,77.429) ; v1(58.025,67.1) 59.225,67.1 ; 59.225,67.125 60.125,67.125 61.025,68.025 63.777,68.025 63.924,67.878 63.997,67.878 64.1,67.775 65.129,67.775 66.85,66.054 D21.K@66.85,66
COLR4: D4.K D14.K D22.K R9.1 | length 47.8
  Top Layer w0.152: R9.1@49.609,81.132 49.609,80.691 49.9,80.4 49.9,78.45 51.102,77.248 51.102,73.223 51.196,73.129 v1(51.227,73.129) ; v1(61.85,87.45) 62.379,86.921 v1(62.379,82) 62.249,81.871 62.249,79.981 62.379,79.852 62.379,75.843 62.29,75.754 62.29,74.846 62.379,74.757 62.379,73.329 v1@62.354,73.304
  Bottom Layer w0.152: D4.K@46.85,71 46.85,71.925 47.225,72.3 50.225,72.3 51.129,73.204 51.204,73.129 v1(51.227,73.129) 51.227,73.152 51.152,73.227 51.158,73.233 54.584,73.233 54.651,73.167 55.299,73.167 55.366,73.233 57.954,73.233 58.055,73.132 58.351,73.132 58.452,73.031 59.379,73.031 59.4,73.052 59.9,73.052 59.921,73.031 61.355,73.031 61.558,73.233 62.283,73.233 v1(62.353,73.304) ; D14.K@61.85,86 v1(61.85,87.45) ; v1(62.379,82) 62.802,82.423 66.091,82.423 66.85,81.664 D22.K@66.85,81
COLR5: D5.K D15.K D23.K R10.1 | length 41.5
  Top Layer w0.152: R10.1@50.111,82.439 50.111,82.014 50.575,81.55 50.575,79.075 51.125,78.525 51.223,78.525 51.252,78.554 52.063,78.554 v1(52.092,78.525) 52.092,77.885 52.329,77.648 52.329,75.688 51.85,75.209 v1(51.85,72.45) ; v1(61.85,82.45) 61.9,82.4 v1(61.9,78.85)
  Bottom Layer w0.152: D5.K@51.85,71 v1(51.85,72.45) ; D15.K@51.85,86 51.85,84.775 52.533,84.092 54.009,84.092 54.113,83.988 56.151,83.988 56.878,83.261 58.562,83.261 58.8,83.023 59.28,83.023 59.914,83.658 61.342,83.658 61.85,83.15 v1(61.85,82.45) D23.K@61.85,81 ; v1(52.092,78.525) 52.45,78.883 55.882,78.883 56.126,79.127 57.459,79.127 57.743,78.843 58.402,78.843 58.425,78.82 61.87,78.82 v1(61.9,78.85)
COLR6: D6.K D16.K D24.K R11.1 | length 36.2
  Top Layer w0.152: R11.1@50.612,83.746 50.612,83.363 51.2,82.775 v1(51.2,82.475) ; v1(52.55,67.3) 52.496,67.354 52.496,68.754 52.25,69 50.433,69 50.23,69.203 50.23,69.472 50.383,69.626 50.383,69.746 50.349,69.78 50.349,70.309 50.281,70.377 50.281,70.581 51.075,71.375 51.575,71.375 v1(52.7,72.5) ; v1(56.85,72.45) 56.673,72.627 56.673,75.102 55.925,75.85 55.925,79.739 56.85,80.664 v1(56.85,82.45)
  Bottom Layer w0.152: v1(51.2,82.475) 51.25,82.525 53.101,82.525 53.344,82.769 55.135,82.769 56.083,81.821 56.298,81.821 v1@56.85,82.373 ; D16.K@51.85,66 52.55,66.7 v1(52.55,67.3) ; v1(52.7,72.5) 53,72.8 56.5,72.8 v1(56.85,72.45) D6.K@56.85,71 ; D24.K@56.85,81 v1@56.85,82.373 ; v1(56.85,82.45) v1@56.85,82.373
COLR7: D7.K D17.K D25.K J4.9 R12.1 | length 40.3
  Top Layer w0.152: R12.1@51.114,85.053 51.114,84.661 52.424,83.351 52.424,81.826 v1(52.525,81.725) ; J4.9@60.96,60.96 62.45,62.45 62.45,66.85 v1(61.85,67.45) 62.35,67.95 62.35,71.95 61.878,72.422 61.86,72.404 v1(61.853,72.404) 61.853,72.453 62.221,72.821 62.548,72.821 62.925,73.198 62.925,73.63 62.799,73.755 62.799,74.768 62.595,74.972 62.595,75.628 62.799,75.833 62.799,76.949 62.77,76.979 62.77,79.045 v1(62.925,79.2)
  Bottom Layer w0.152: v1(52.525,81.725) 52.525,81.675 D25.K@51.85,81 53.223,81 54.952,79.271 55.839,79.271 55.999,79.431 57.586,79.431 57.817,79.2 61.573,79.2 61.702,79.329 62.796,79.329 v1(62.925,79.2) ; D17.K@61.85,66 v1(61.85,67.45) ; D7.K@61.85,71 61.878,71.028 61.853,71.053 v1(61.853,72.404)
COLR8: D8.K D26.K J4.7 R13.1 | length 56.9
  Top Layer w0.152: R13.1@51.616,86.36 51.616,85.657 52.83,84.443 52.83,82.97 52.864,83.004 v1(52.903,83.004) ; v1@55.7,82.925 56.217,82.925 56.526,83.233 57.175,83.233 57.633,82.774 57.633,80.585 57.325,80.277 57.325,77.652 57.346,77.63 57.346,76.41 58.13,75.626 58.13,75.557 58.162,75.525 58.162,74.524 58.22,74.466 58.22,72.575 58.153,72.642 v1(58.153,72.654) ; v1(59.328,62.028) 59.122,62.028 58.725,62.425 58.725,63.023 59.104,63.402 59.104,63.798 58.888,64.014 58.888,64.46 58.671,64.677 58.671,65.073 58.808,65.21 58.808,67.483 59.25,67.925 59.376,67.925 59.656,68.205 59.656,68.602 59.376,68.882 59.368,68.882 59.368,71.391 59.729,71.752 59.729,72.148 59.675,72.202 59.675,72.6 59.653,72.578 v1(59.653,72.554)
  Bottom Layer w0.152: D26.K@46.85,81 48.59,82.74 50.789,82.74 51.002,82.954 51.398,82.954 51.452,82.9 52.742,82.9 52.916,83.074 55.526,83.074 v1(55.7,82.9) ; v1(58.153,72.654) 59.55,72.654 59.622,72.726 61.499,72.726 61.655,72.882 62.051,72.882 62.433,72.5 63.651,72.5 66.8,72.5 66.85,72.45 D8.K@66.85,71 ; v1@59.414,62.139 64.187,62.139 64.477,62.429 64.873,62.429 66.04,61.262 J4.7@66.04,60.96
COLR9: D9.K D27.K J4.6 R14.1 | length 52.4
  Top Layer w0.152: R14.1@52.117,87.667 52.117,87.308 52.332,87.093 52.332,85.371 53.446,84.258 53.446,82.204 v1(53.478,82.204) ; v1(57.825,77.45) 57.825,77.583 57.63,77.778 57.63,79.892 v1@57.938,80.2 ; v1(61.6,64.025) 61.6,67.023 61.371,67.252 61.371,67.648 61.575,67.852 61.575,69.144 61.58,69.149 61.58,72 61.371,72.208 61.371,72.648 61.754,73.03 61.754,77.354 61.828,77.279 v1(61.853,77.279) ; v1(68.575,64.325) 68.58,64.32 J4.6@68.58,60.96
  Bottom Layer w0.152: D27.K@51.85,76 v1(51.85,77.45) 56.075,77.45 56.532,77.907 57.069,77.907 57.527,77.45 v1(57.825,77.45) 61.682,77.45 v1(61.853,77.279) 61.853,76.003 D9.K@61.85,76 ; v1(53.478,82.204) 53.953,81.729 55.745,81.729 55.879,81.595 55.879,80.645 56.323,80.2 v1(57.925,80.2) ; v1(61.6,64.025) 61.658,63.967 63.644,63.967 63.782,64.105 64.975,64.105 65.141,64.271 66.193,64.271 66.275,64.354 68.546,64.354 v1(68.575,64.325)